# Altium PCB graviton.PcbDoc (part 1 of 15) (continued)
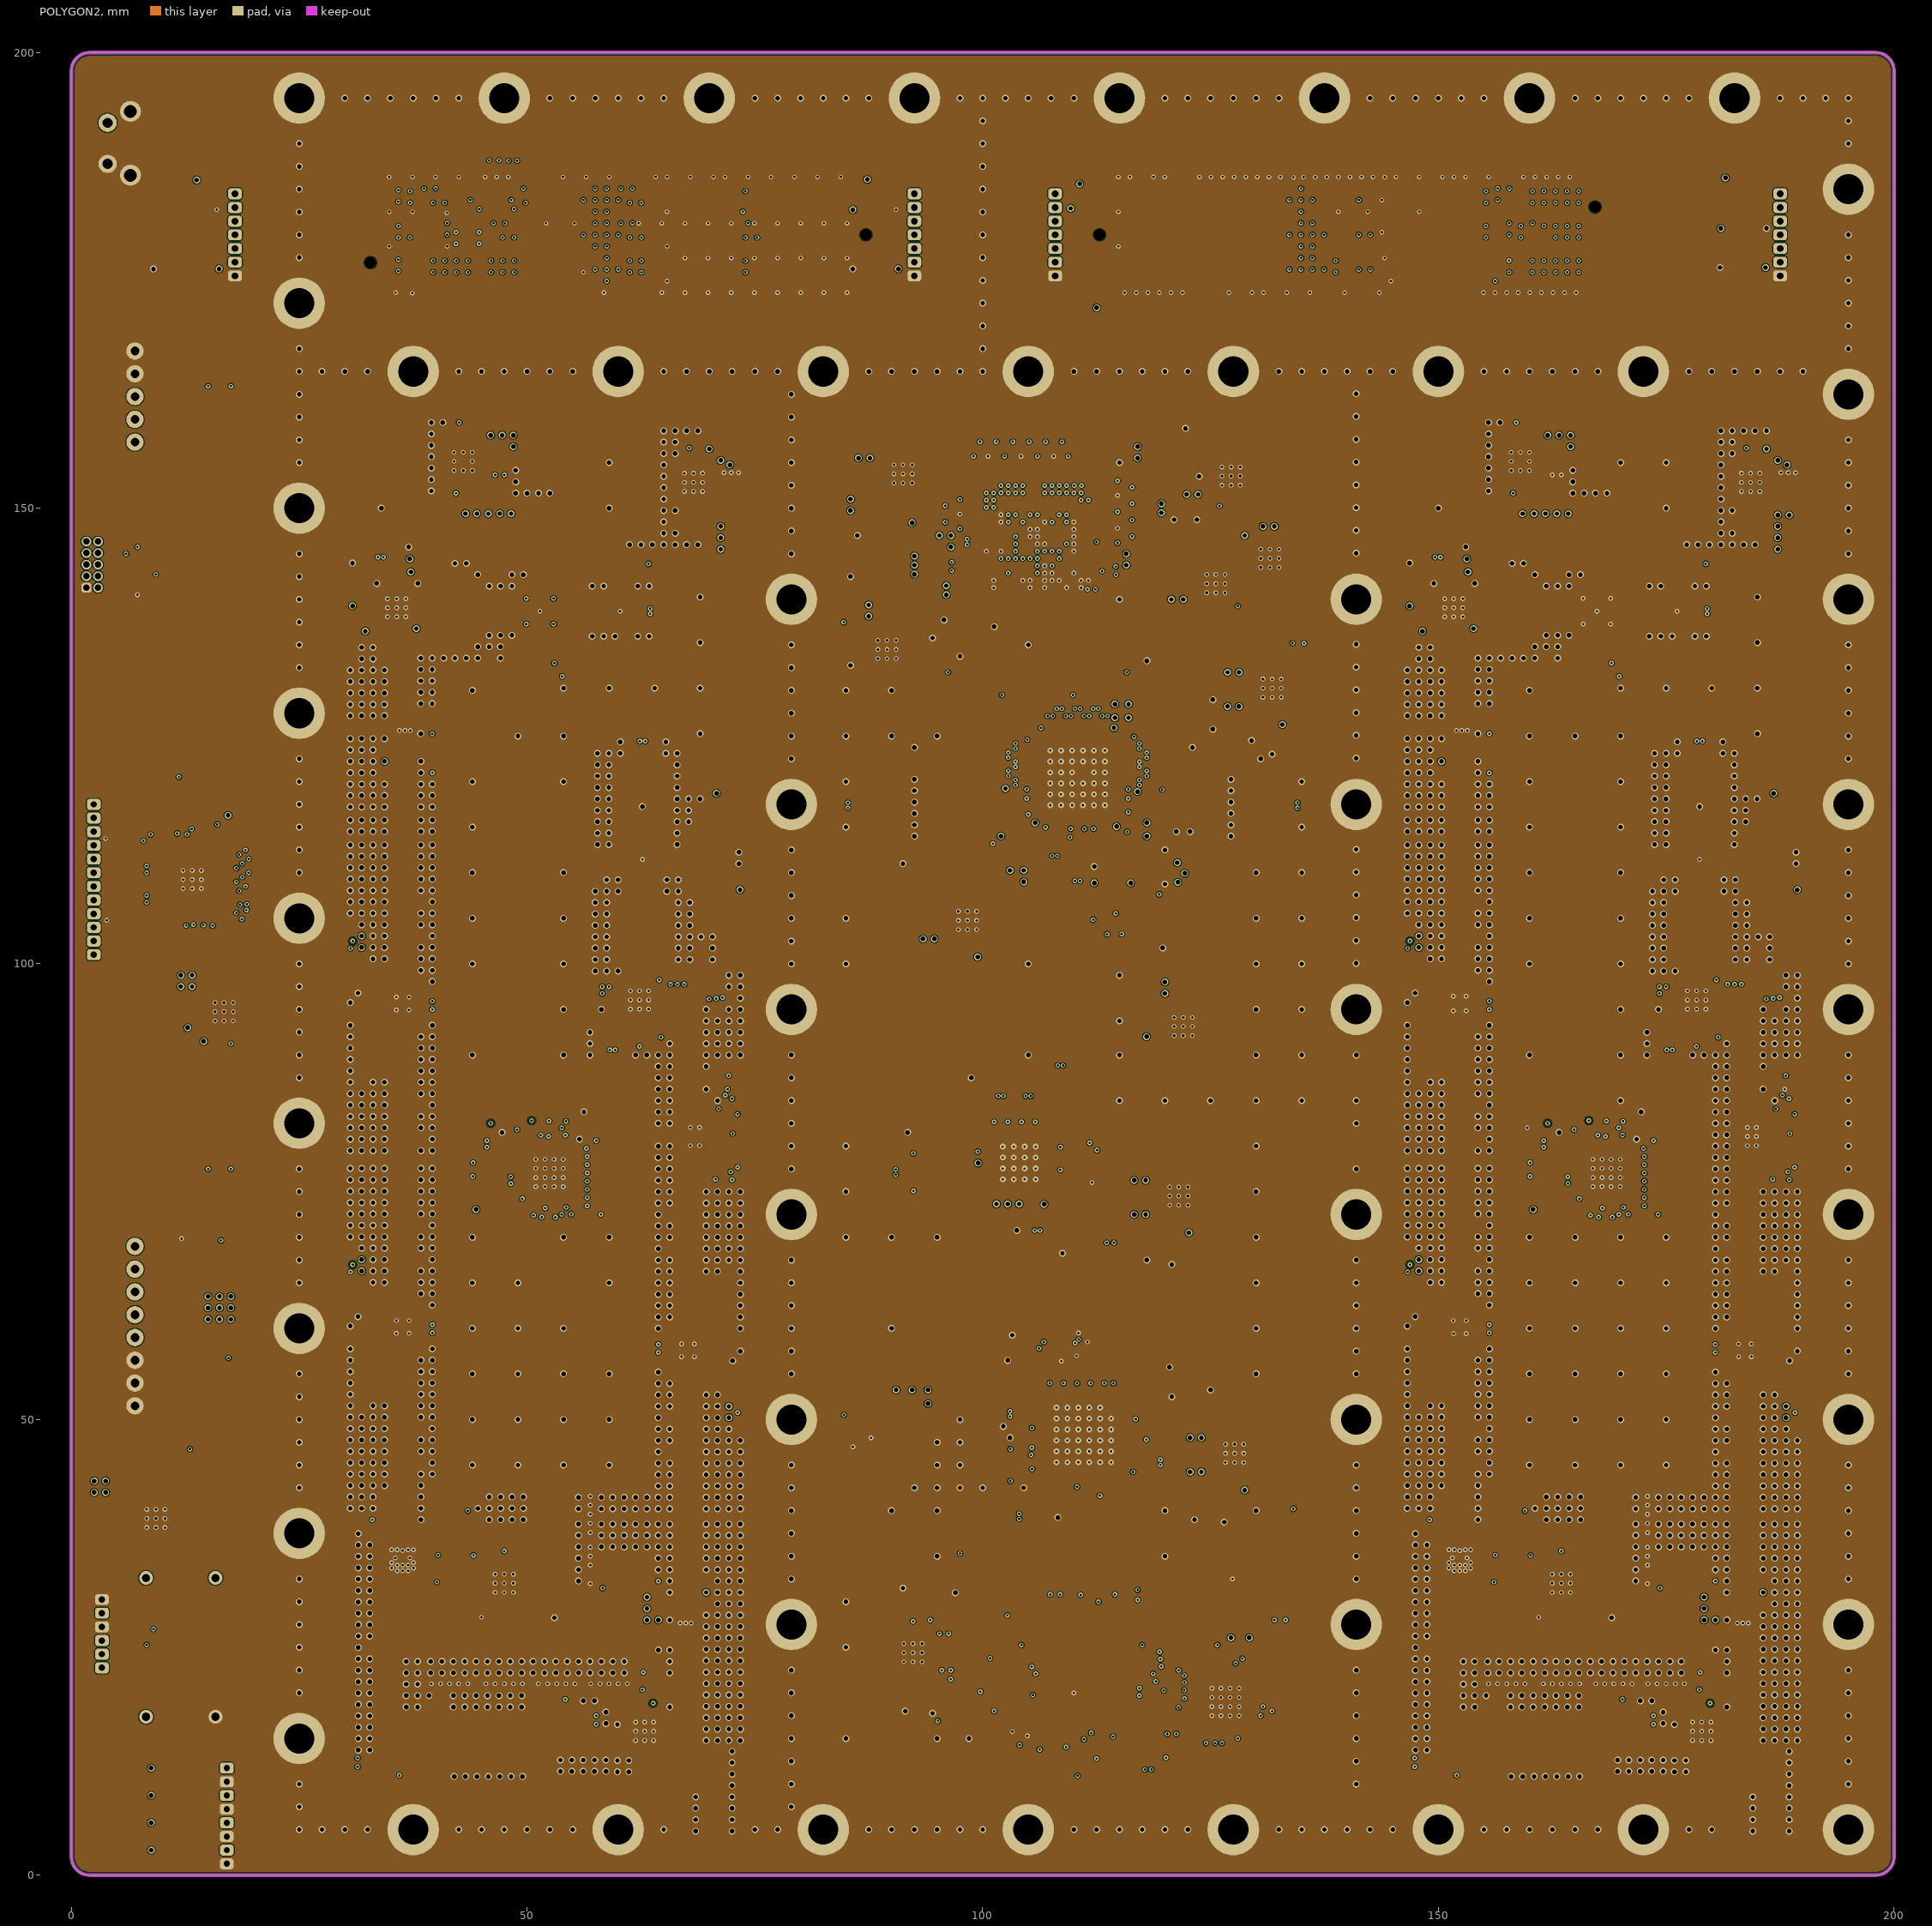
[diagram p4: POLYGON2]
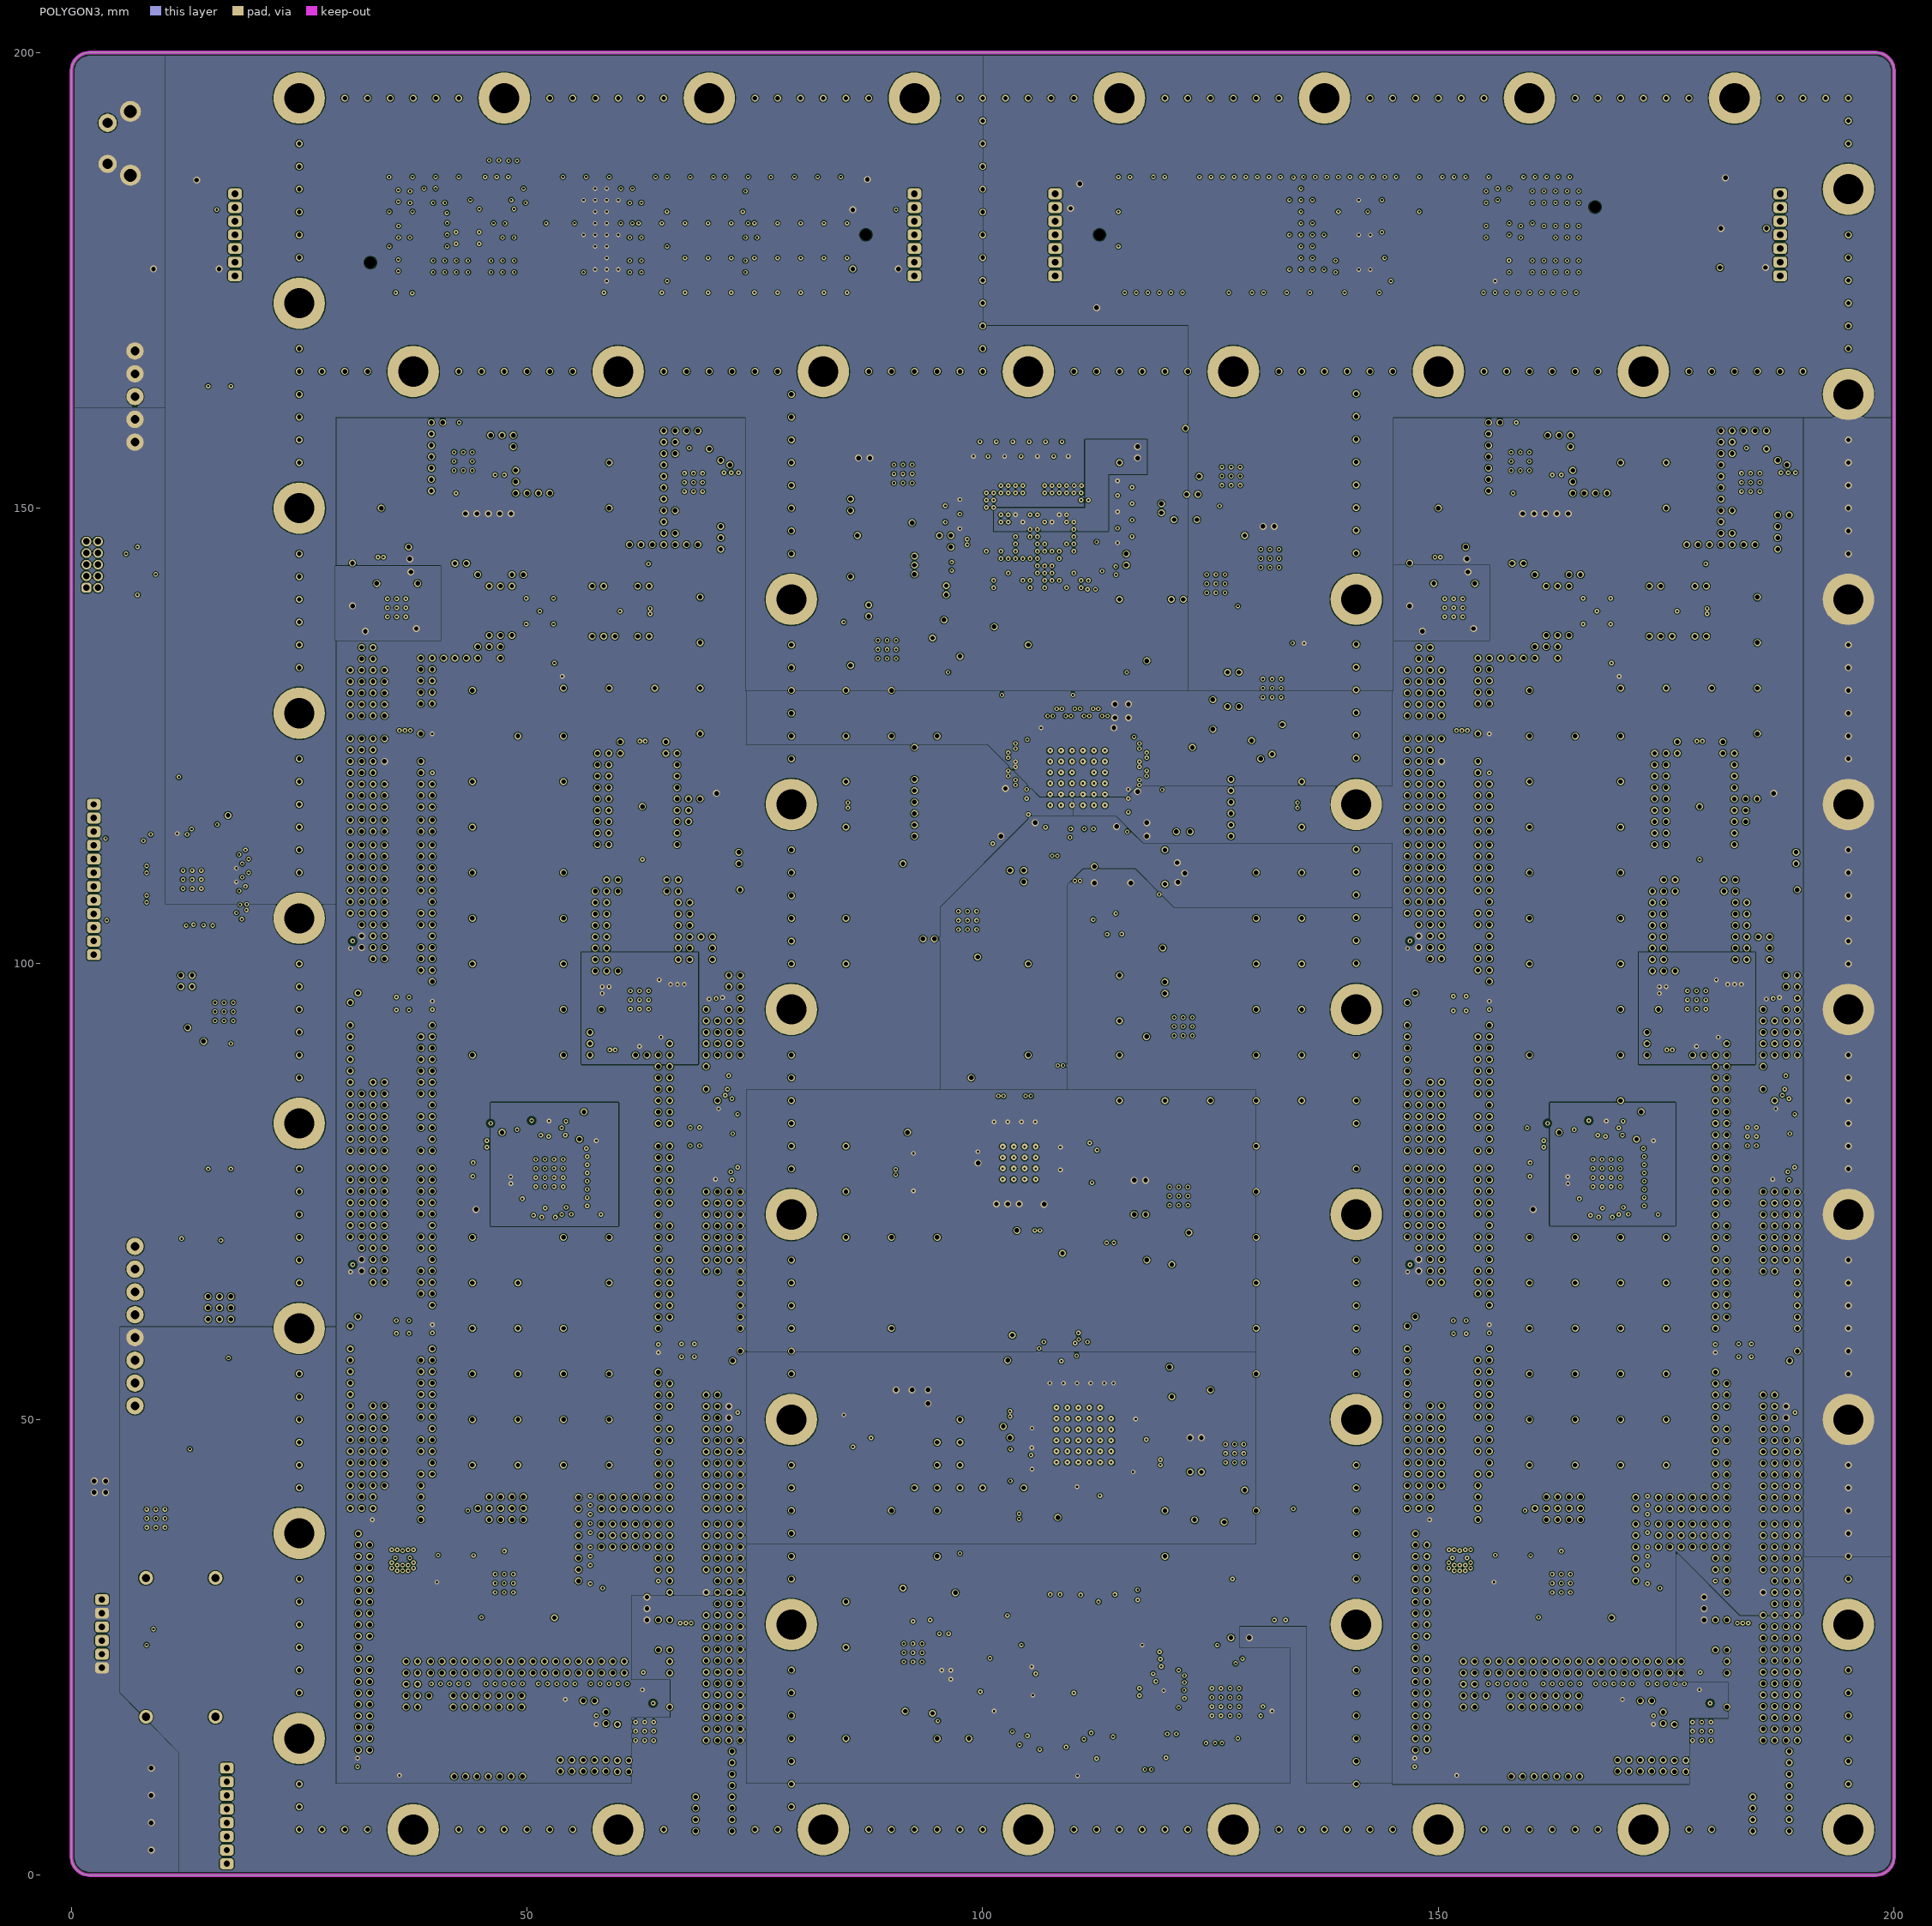
[diagram p5: POLYGON3]
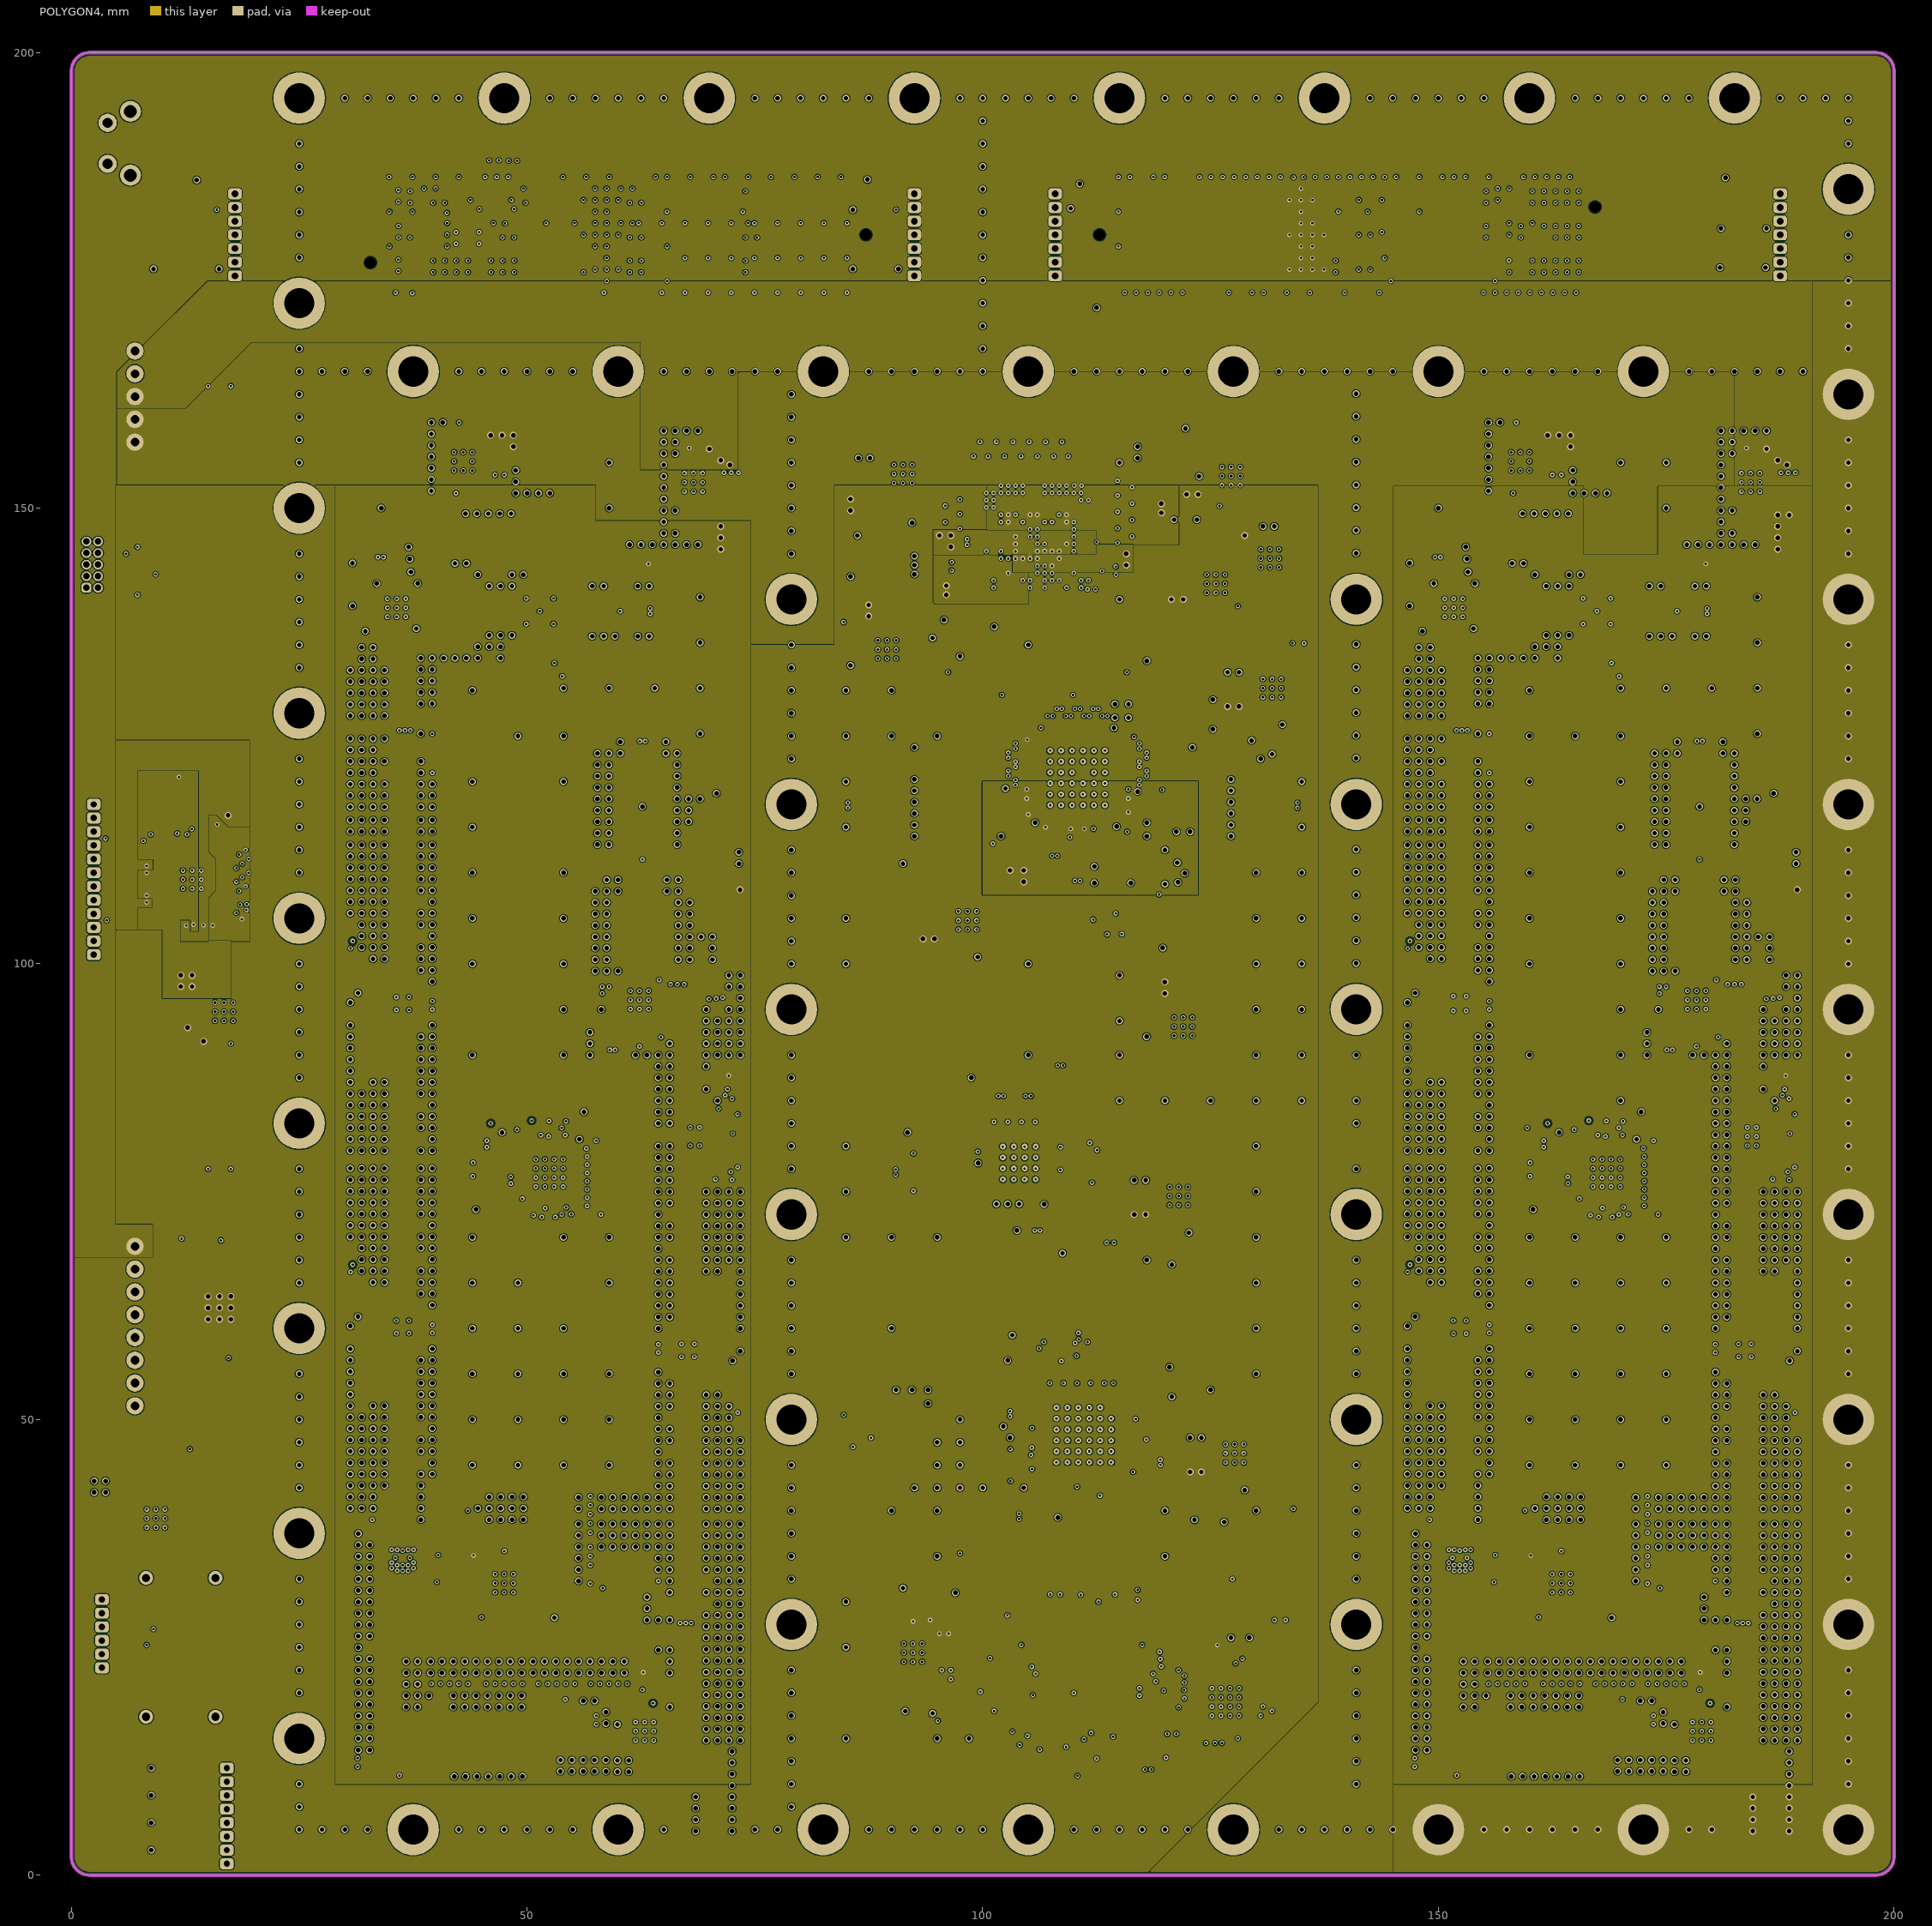
[diagram p6: POLYGON4]
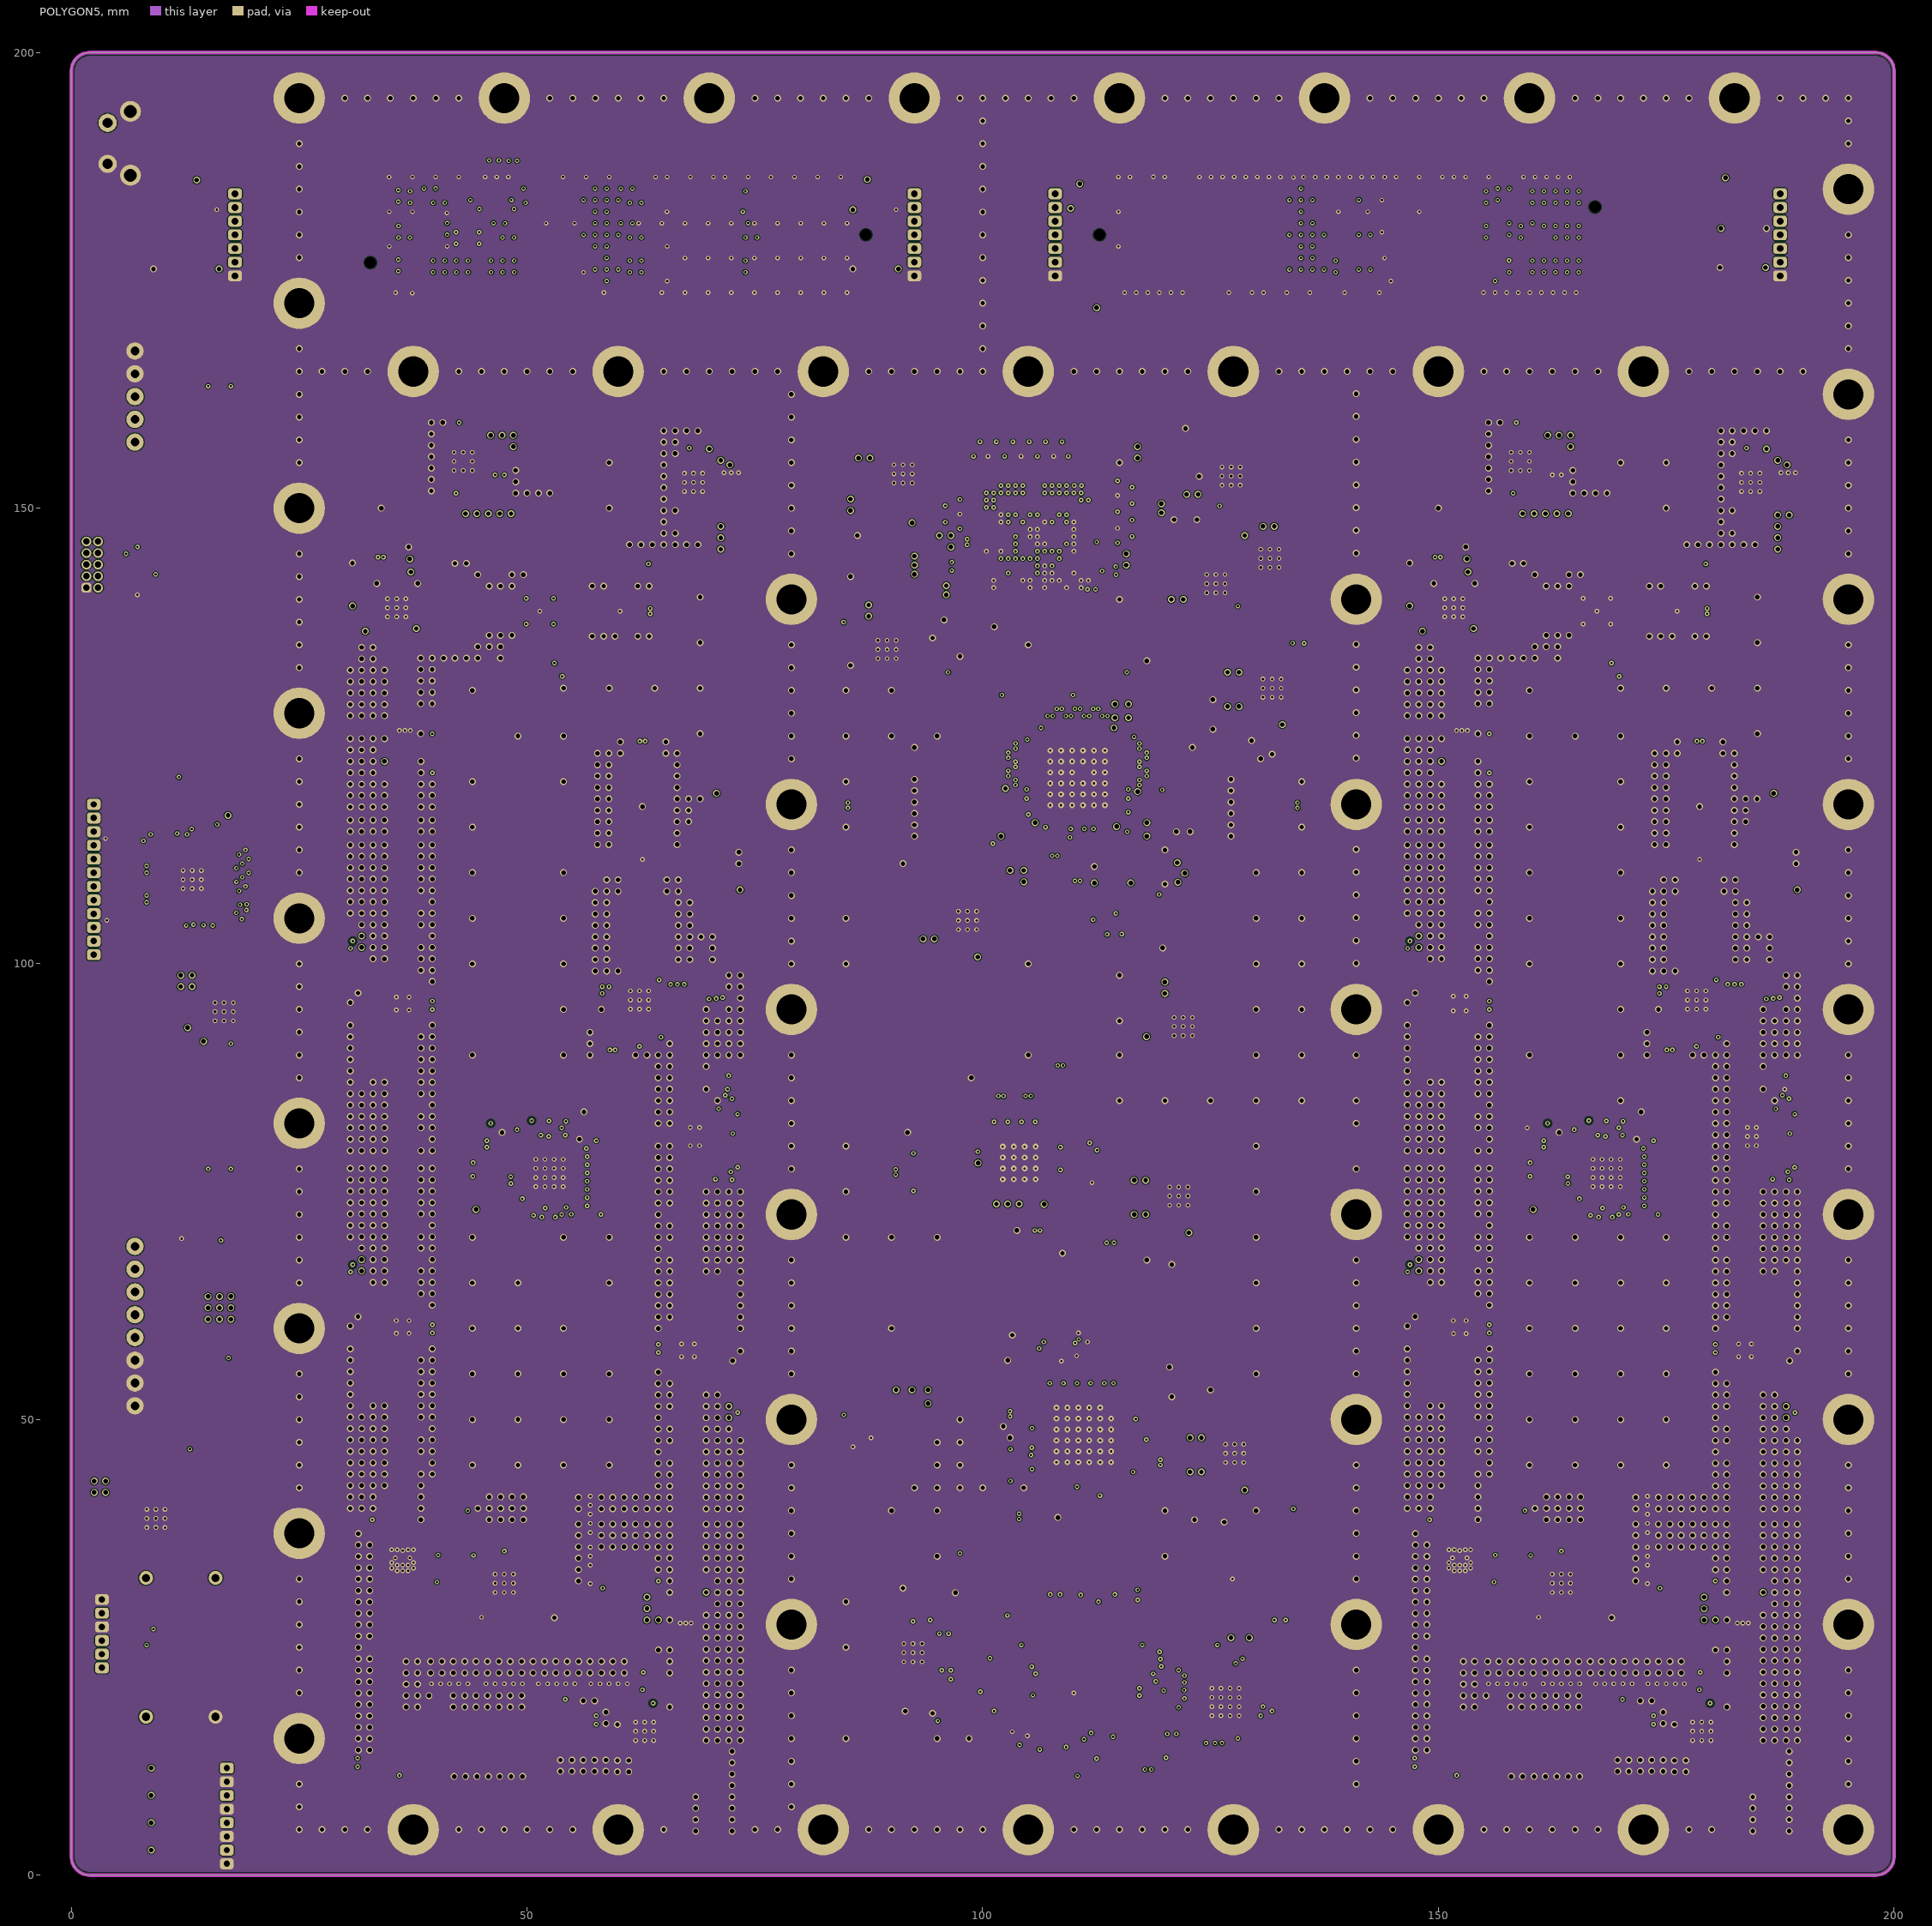
[diagram p7: POLYGON5]